# Altium PCB PCB1.PcbDoc (part 1 of 4) (continued)
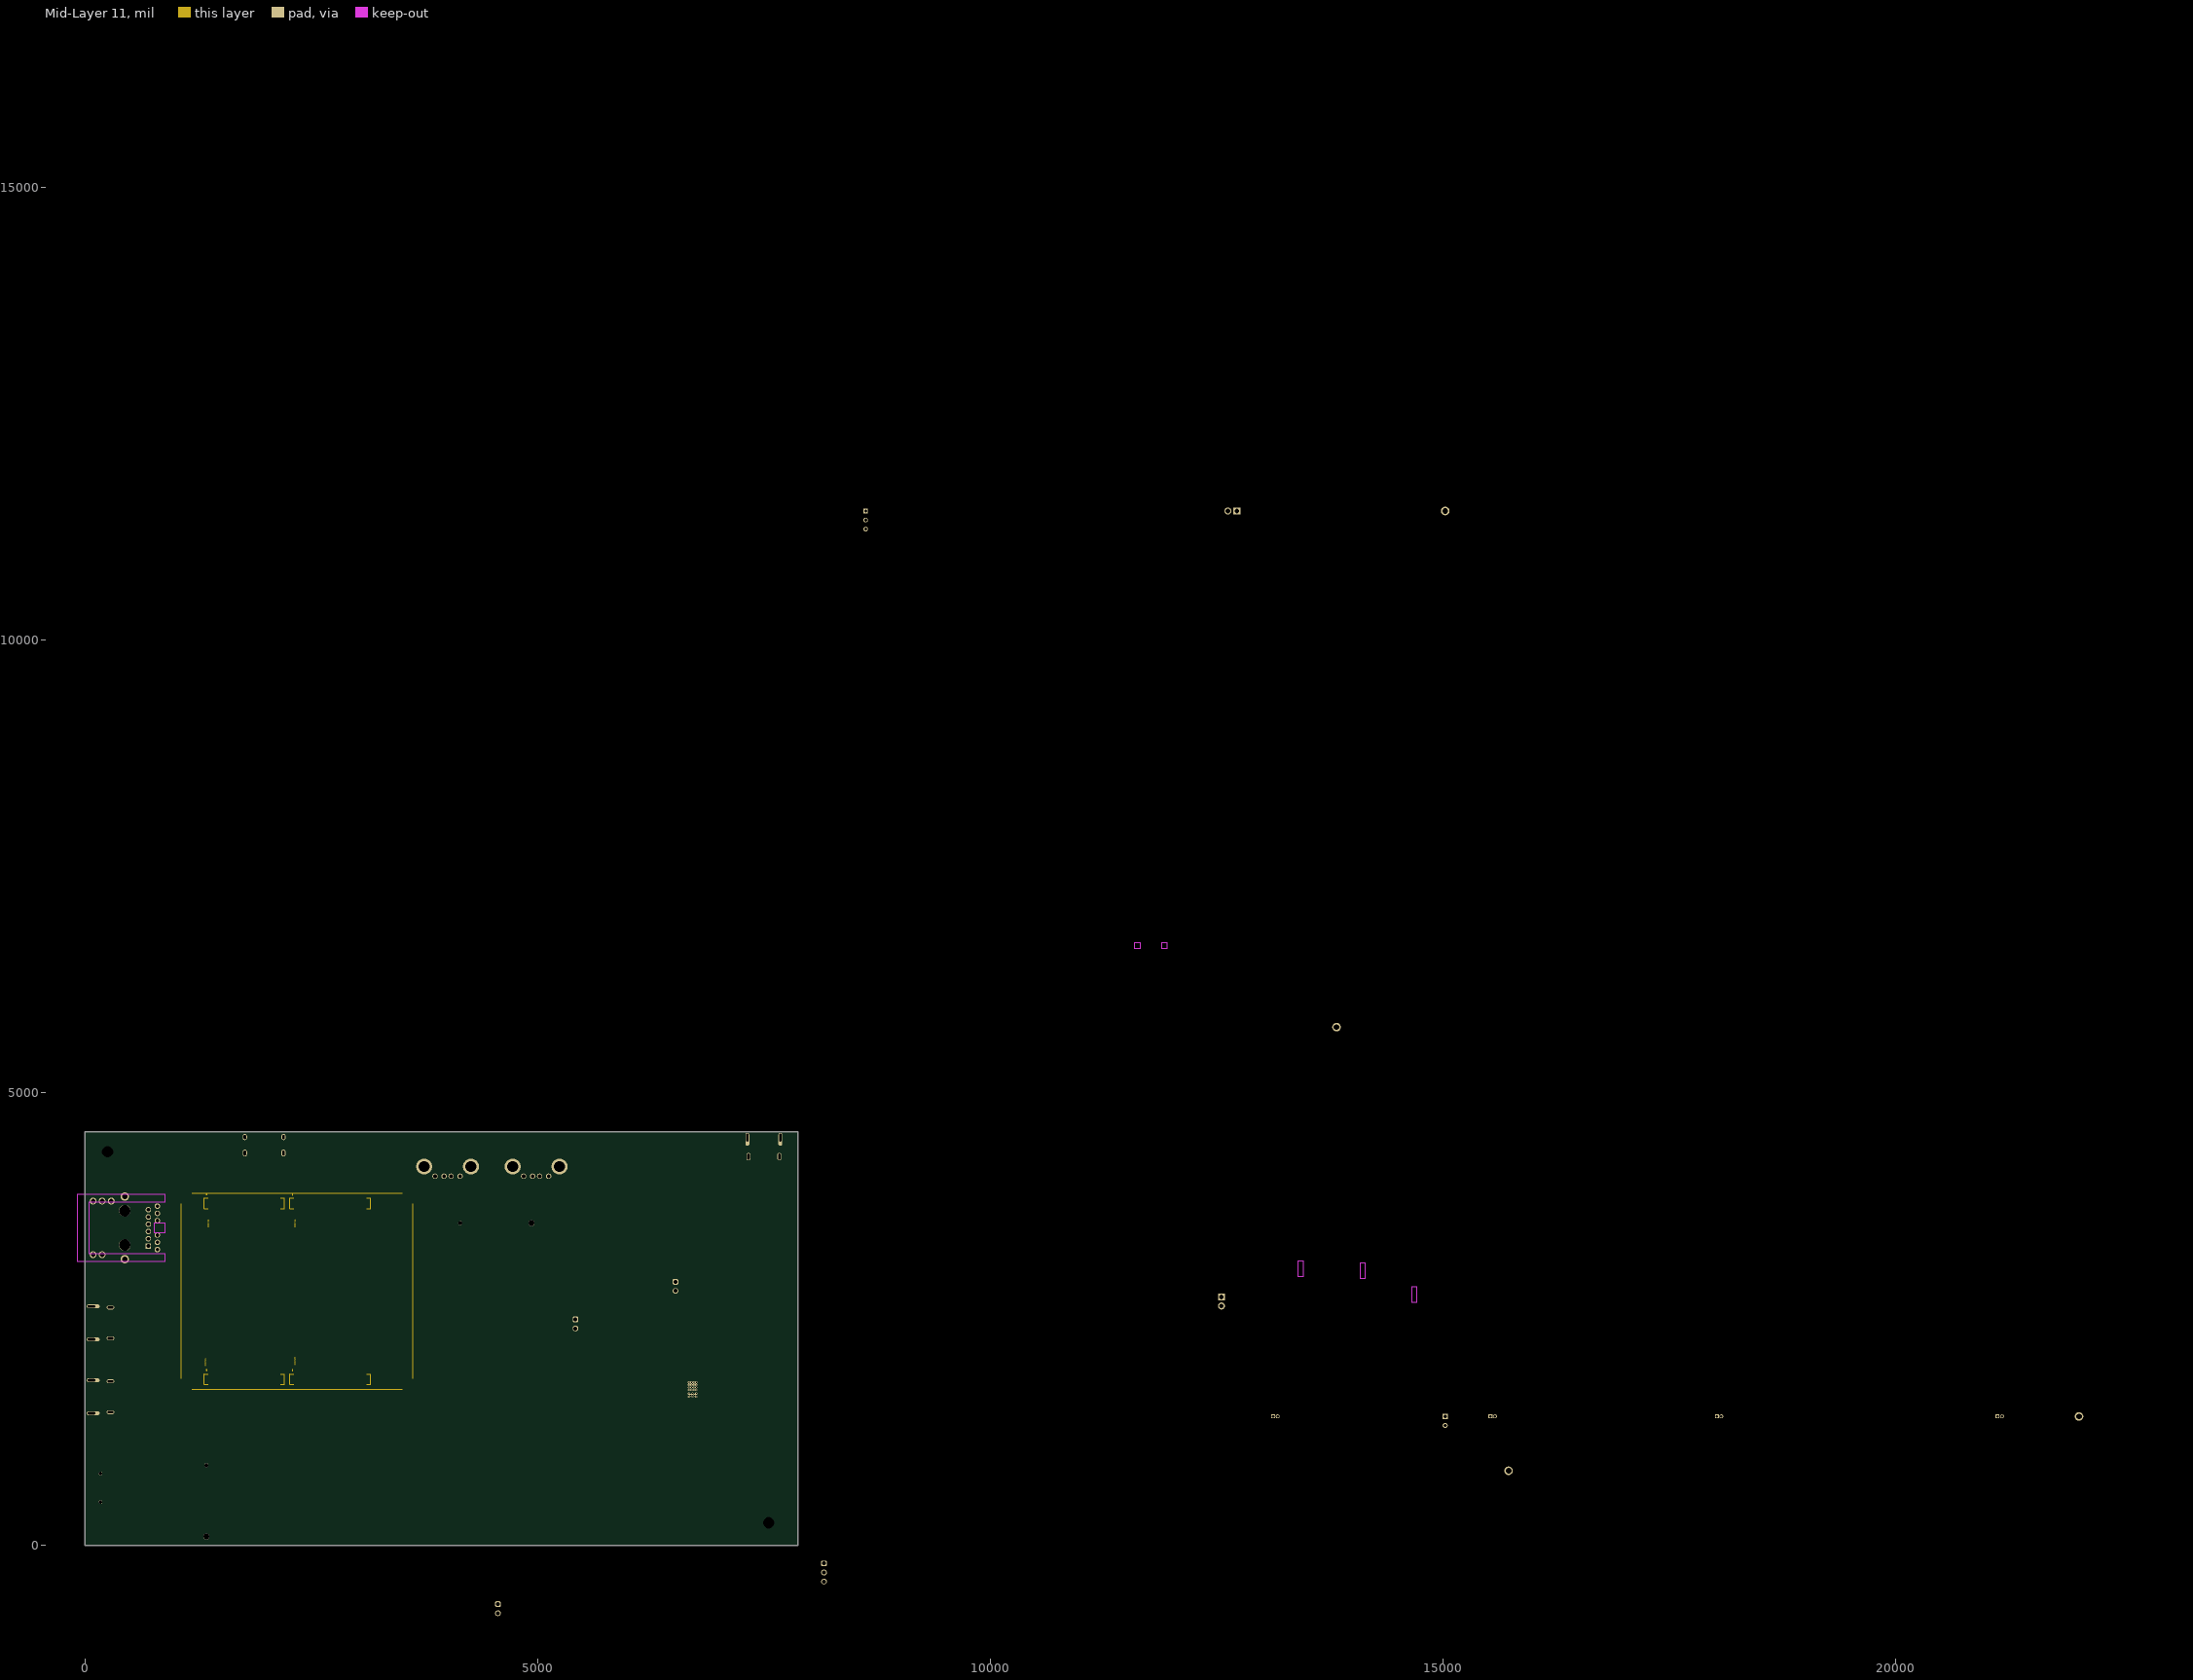
[diagram p7: Mid-Layer 11]
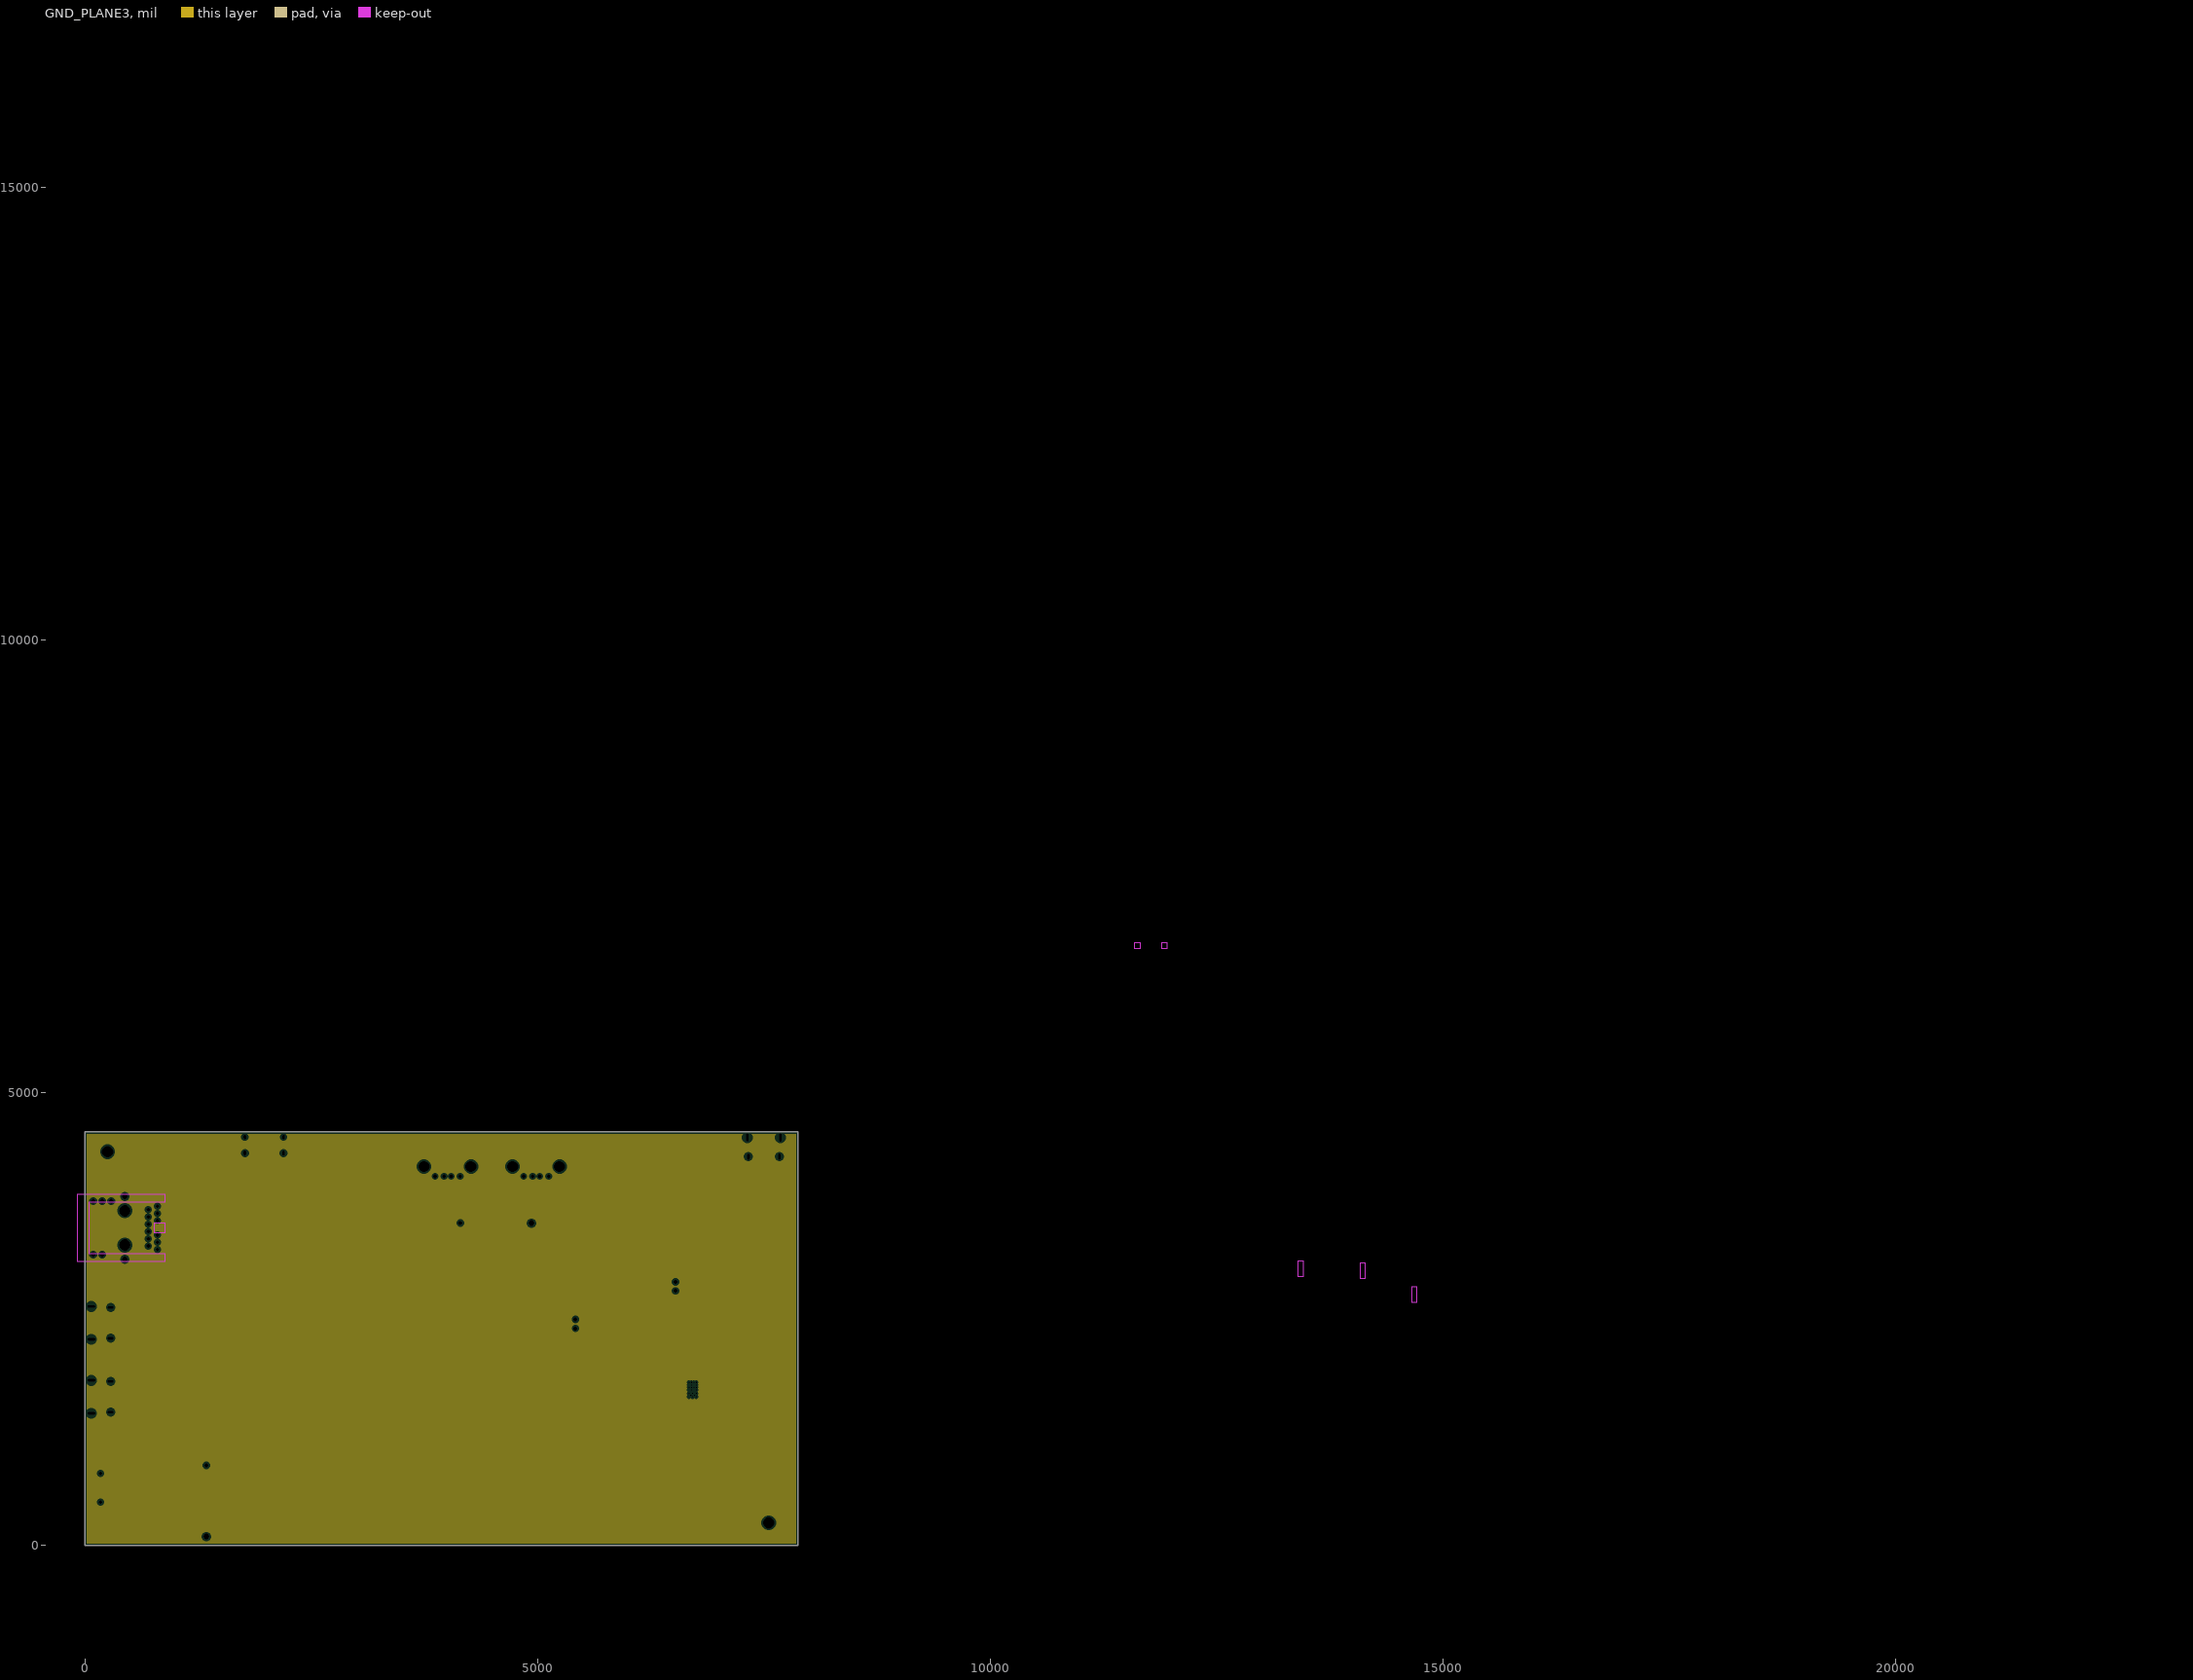
[diagram p8: GND_PLANE3, clearances drawn from the general rule]

## Layer stack, top to bottom
Top Solder: solder mask 1, SM-001, Dk 4
HIGH_SPEED_TOP: signal copper 1.38
Dielectric 2: prepreg 4.58, PP-006, Dk 4.1
GND PLANE1: plane copper 0.6
Dielectric 3: core 11.81, Core-027, Dk 4.5
LOW_SPEED: signal copper 0.6
Dielectric 4: prepreg 3.01, PP-006, Dk 4.1
Dielectric 5: prepreg 3.01, PP-006, Dk 4.1
POWER_PLANE1: plane copper 0.6
Dielectric 6: core 11.81, Core-027, Dk 4.5
POWER_PLANE2: plane copper 0.6
Dielectric 7: prepreg 3.01, PP-006, Dk 4.1
Dielectric 8: prepreg 3.01, PP-006, Dk 4.1
SIGNAL: signal copper 0.6
Dielectric 9: core 11.81, Core-027, Dk 4.5
Mid-Layer 11: signal copper 1.4
Dielectric10: dielectric 12.6, FR-4, Dk 4.8
GND_PLANE3: plane copper 0.6
Dielectric 10: prepreg 4.58, PP-006, Dk 4.1
HIGH_SPEED_BOT: signal copper 1.38
Bottom Solder: solder mask 1, SM-001, Dk 4

## Board outline
0,0 0,738.19 0,4566.93 7874.02,4566.93 7874.02,0

## Design rules (kind name [scope] priority, off if disabled: settings)
BoardOutlineClearance [All] p1: gap=50 ignorepadtopadclearanceinfootprint=FALSE
Clearance [All] p1: gap=7.87 ignorepadtopadclearanceinfootprint=FALSE
ComponentClearance CM3588 [InComponent('J1') vs InComponent('CON1')] p1: gap=0 collisioncheckmode=3 verticalgap=0 showdistances=FALSE
DiffPairsRouting [All] p1: maxlimit=4.92 minlimit=4.92 mostfreqgap=4.92 toplayer_minwidth=4.92 toplayer_maxwidth=4.92 toplayer_prefwidth=4.92 midlayer4_minwidth=4.92 midlayer4_maxwidth=4.92 midlayer4_prefwidth=4.92 midlayer9_minwidth=4.92 midlayer9_maxwidth=4.92 midlayer9_prefwidth=4.92 midlayer11_minwidth=4.92 midlayer11_maxwidth=4.92 midlayer11_prefwidth=4.92 bottomlayer_minwidth=4.92 bottomlayer_maxwidth=4.92 bottomlayer_prefwidth=4.92 maxuncoupledlength=590.55
HoleSize [All] p1: absolutevalues=TRUE maxlimit=196.85 minlimit=7.87 maxpercent=80.000 minpercent=20.000
HoleToHoleClearance [All] p1: gap=7 allowstackedmicrovias=TRUE
MinimumSolderMaskSliver [All] p1: minsoldermaskwidth=2.95
PlaneClearance [All] p1: clearance=19.68
PlaneConnect [All] p1: pad.planeconnectstyle=Relief pad.reliefexpansion=20 pad.reliefentries=4 pad.reliefconductorwidth=10 pad.reliefairgap=10 via.planeconnectstyle=Direct via.reliefexpansion=20 via.reliefentries=4 via.reliefconductorwidth=10 via.reliefairgap=10
PolygonConnect [All] p1: thpad.connectstyle=Relief thpad.reliefconductorwidth=10 thpad.reliefentries=4 thpad.polygonreliefangle="90 Angle" thpad.airgapwidth=10 smdpad.connectstyle=Relief smdpad.reliefconductorwidth=10 smdpad.reliefentries=4 smdpad.polygonreliefangle="90 Angle" smdpad.airgapwidth=10 via.connectstyle=Direct via.reliefconductorwidth=10 via.reliefentries=4 via.polygonreliefangle="90 Angle" via.airgapwidth=10
RoutingVias [All] p1: holewidth=11.81 width=31.5 viastyle="Through Hole" minholewidth=7.87 minwidth=23.62 maxholewidth=27.56 maxwidth=47.24
SilkToSilkClearance [All] p1: silktosilkclearance=4
SilkToSolderMaskClearance [IsPad] p1: minsilkscreentomaskgap=1 clearancetoexposedcopper=TRUE
SolderMaskExpansion [All] p1: expansion=0 istentingtop=FALSE
SupplyNets "Schematic Supply Nets_21" [InNet('+3V3')] p1: voltage=0.000
SupplyNets "Schematic Supply Nets_20" [InNet('+12')] p2: voltage=0.000
SupplyNets "Schematic Supply Nets_19" [InNet('NetR6_2')] p3: voltage=0.000
SupplyNets "Schematic Supply Nets_1" [InNet('PACK+')] p4: voltage=0.000
SupplyNets "Schematic Supply Nets_18" [InNet('PWR4')] p5: voltage=0.000
SupplyNets "Schematic Supply Nets_17" [InNet('+3V3_NVME')] p6: voltage=0.000
SupplyNets "Schematic Supply Nets_16" [InNet('P3V3')] p7: voltage=0.000
SupplyNets "Schematic Supply Nets_15" [InNet('AGND')] p8: voltage=0.000
SupplyNets "Schematic Supply Nets_14" [InNet('PP5V')] p9: voltage=0.000
SupplyNets "Schematic Supply Nets_13" [InNet('VCC_SYS')] p10: voltage=0.000
SupplyNets "Schematic Supply Nets_12" [InNet('PWR2')] p11: voltage=0.000
SupplyNets "Schematic Supply Nets_10" [InNet('+3V3_PI6C')] p12: voltage=0.000
SupplyNets "Schematic Supply Nets_8" [InNet('PWR1')] p13: voltage=0.000
SupplyNets "Schematic Supply Nets_7" [InNet('+1V8')] p14: voltage=0.000
SupplyNets "Schematic Supply Nets_6" [InNet('PWR3')] p15: voltage=0.000
SupplyNets "Schematic Supply Nets_5" [InNet('+3V3_SD_SO')] p16: voltage=0.000
SupplyNets "Schematic Supply Nets_4" [InNet('+5V')] p17: voltage=0.000
SupplyNets "Schematic Supply Nets_2" [InNet('+3V3_WIFI')] p18: voltage=0.000
Width [All] p1: maxlimit=196.85 minlimit=5.91 preferedwidth=7.87
21 further rules are at their usual default settings.

## Classes and differential pairs
component class WIFI: MTHNP11 R41 R42 R43 WIFI
component class USBC_B: C12 C13 C14 C15 C16 C17 C18 C19 C20 C185 C186 FB10 J3 L2 R8 R9 R10 R11 R12 R13 U7 U8 U9 U10 U11 U12
component class USBC_A: C1 C2 C3 C4 C5 C6 C7 C8 C9 C10 C11 FB9 J2 L1 R1 R2 R3 R4 R5 U1 U2 U3 U4 U5 U6
component class USB2_0: BR1 BR2 BR3 BR4 BR5 C154 C155 C156 C157 C158 C159 C160 C161 C162 C163 C164 C165 C166 C167 IC17 IC18 IC19 IC20 L19 L20 L21 L22 L23 LED8 R160 R161 R162 R163 R164 R165 R166 R167 R168 R169 R170 R171 R172 Y2
component class USB2_0_Connector: C168 C169 C170 C171 C172 C173 C174 C175 C176 C177 C178 C179 C180 C181 C182 C183 FB1 FB2 FB3 FB4 FB5 FB6 FB7 FB8 J13 J14 J15 J16
component class SystemCTL: C41 C42 C43 C44 C45 C46 D3 IC4 J9 J17 Mask MTHNP1 MTHNP2 MTHNP3 MTHNP4 MTHNP5 MTHNP6 Power R70 R71 R72 R73 R74 R75 R76 R77 R78 Recovery Reset RTC_BAT TP2
component class SDCARD: C35 C36 J7 R44 R45 R46 R47 R48 R49 R50 U18 U19
component class Power: 66 C47 C48 C49 C50 C51 C52 C53 C54 C55 C56 C57 C58 C59 C60 C61 C62 C63 C64 C65 C67 IC5 IC6 IC7 L11 L12 LED2 R79 R80 R81 R82 R83 R84 R85 R86 R87 R88 R89 R90 R91 R92
component class POWERSYSTEM: C66 C86 C87 C88 C89 C90 C91 C92 C93 C94 C95 C96 C97 C98 C99 C100 C101 C102 C103 C104 C105 C106 C107 C108 C109 C110 C111 C112 C113 C114 C115 J8 J12 JP1 JP2 JP3 L15 L16 L24 LED3 R104 R105 R106 R108 R109 R110 R111 R112 R113 R114 R115 R116 R117 U24 U25 U26 U27
component class POWER_PCie: C68 C69 C70 C71 C72 C73 C74 C75 C76 C77 C78 C79 C80 C81 C82 C83 C84 C85 IC8 IC9 L13 L14 R93 R94 R95 R96 R97 R98 R99 R100 R101 R102
component class P3V3_PP5V_GESTION: C142 C143 C144 C145 C146 C147 C148 C149 C150 C151 C152 C153 D7 IC15 IC16 L18 R153 R154 R155 R156 R157 R158
component class NVME: C26 C27 C28 C29 C30 C31 C32 C33 C34 LED1 MTHNP7 MTHNP8 MTHNP9 MTHNP10 NVME R18 R19 R20 R21 R22 R23 R24 R25 R26 R27 R28 R29 R30 R31 R32 R33 R34 R35 R36 R37 R38 R39 R40 TP1 U16 U17 Y1
component class HDMI: C37 C38 C39 C40 D1 D2 IC1 IC2 IC3 J6 L7 L8 L9 L10 Q1 Q2 Q3 Q4 Q5 R51 R52 R53 R54 R55 R56 R57 R58 R59 R60 R61 R62 R63 R64 R65 R66 R67 R68 R69 U20 U21 U22 U23
component class ETHERNET: C23 C24 ETH1 L3 L4 L5 L6 R14 R15 R16 R17 U14 U15
component class eDP: C21 C22 eDP1 U13
component class CONNECTEUR_4: CON4 R103 R107
component class CONNECTEUR_3: CON3
component class CONNECTEUR_2: CON2
component class CONNECTEUR_1: CON1 R6 R7
component class CM3588: J1
component class BATTERY_GESTION: BT1 BT2 BT3 BT4 C116 C117 C120 C121 C122 C123 C124 C125 C126 C127 C128 C129 C130 D4 D5 D6 IC12 L25 LED4 LED5 LED6 LED7 Q6 Q7 R120 R122 R123 R124 R125 R126 R127 R128 R129 R130 R131 R132 R133 R134 R135 R136 R137 R138 R139 R140 R141 R142 R143 RT1 TP3
component class 12V_FROM_BATTERY: C131 C132 C133 C134 C135 C136 C137 C138 C139 C140 C141 IC14 L17 Q8 Q9 R144 R145 R146 R147 R148 R149 R150 R151 R152 TP4
differential pair USB20_HOST0_D: +USB20_HOST0_D_P -USB20_HOST0_D_N
differential pair TYPEC1_SSTX2: +TYPEC1_SSTX2_P -TYPEC1_SSTX2_N
differential pair TYPEC1_SSTX1: +TYPEC1_SSTX1_P -TYPEC1_SSTX1_N
differential pair TYPEC1_SSRX2: +TYPEC1_SSRX2_P -TYPEC1_SSRX2_N
differential pair TYPEC1_SSRX1: +TYPEC1_SSRX1_P -TYPEC1_SSRX1_N
differential pair TYPEC0_SSTX2: +TYPEC0_SSTX2_P -TYPEC0_SSTX2_N
differential pair TYPEC0_SSTX1: +TYPEC0_SSTX1_P -TYPEC0_SSTX1_N
differential pair TYPEC0_SSRX2: +TYPEC0_SSRX2_P -TYPEC0_SSRX2_N
differential pair TYPEC0_SSRX1: +TYPEC0_SSRX1_P -TYPEC0_SSRX1_N
differential pair SR: +SR_P -SR_N
differential pair P25G_MDI3: +P25G_MDI3_P -P25G_MDI3_N
differential pair P25G_MDI2: +P25G_MDI2_P -P25G_MDI2_N
differential pair P25G_MDI1: +P25G_MDI1_P -P25G_MDI1_N
differential pair P25G_MDI0: +P25G_MDI0_P -P25G_MDI0_N
differential pair USB20_HOST1_D: +USB20_HOST1_D_P -USB20_HOST1_D_N
differential pair UP: +UP_P -UP_N
differential pair TYPEC1_OTG_D: +TYPEC1_OTG_D_P -TYPEC1_OTG_D_N
differential pair TYPEC1_D: +TYPEC1_D_P -TYPEC1_D_N
differential pair TYPEC0_OTG: +TYPEC0_OTG_P -TYPEC0_OTG_N
differential pair TYPEC0_D: +TYPEC0_D_P -TYPEC0_D_N
differential pair TX3P: +TX3P_P -TX3P_N
differential pair TX3P_OUT: +TX3P_OUT_P -TX3P_OUT_N
differential pair TX2P: +TX2P_P -TX2P_N
differential pair TX2P_OUT: +TX2P_OUT_P -TX2P_OUT_N
differential pair TX1P: +TX1P_P -TX1P_N
differential pair TX1P_OUT: +TX1P_OUT_P -TX1P_OUT_N
differential pair TX0P: +TX0P_P -TX0P_N
differential pair TX0P_OUT: +TX0P_OUT_P -TX0P_OUT_N
differential pair PCIE30_REFCLK_A: +PCIE30_REFCLK_A_P -PCIE30_REFCLK_A_N
differential pair PCIE30_PORT1_TX3: +PCIE30_PORT1_TX3_P -PCIE30_PORT1_TX3_N
differential pair PCIE30_PORT1_TX2: +PCIE30_PORT1_TX2_P -PCIE30_PORT1_TX2_N
differential pair PCIE30_PORT1_RX3: +PCIE30_PORT1_RX3_P -PCIE30_PORT1_RX3_N
differential pair PCIE30_PORT1_RX2: +PCIE30_PORT1_RX2_P -PCIE30_PORT1_RX2_N
differential pair PCIE30_PORT1_IN_REFCLK: +PCIE30_PORT1_IN_REFCLK_P -PCIE30_PORT1_IN_REFCLK_N
differential pair PCIE30_PORT0_TX1: +PCIE30_PORT0_TX1_P -PCIE30_PORT0_TX1_N
differential pair PCIE30_PORT0_TX0: +PCIE30_PORT0_TX0_P -PCIE30_PORT0_TX0_N
differential pair PCIE30_PORT0_RX1: +PCIE30_PORT0_RX1_P -PCIE30_PORT0_RX1_N
differential pair PCIE30_PORT0_RX0: +PCIE30_PORT0_RX0_P -PCIE30_PORT0_RX0_N
differential pair PCIE30_PORT0_IN_REFCLK: +PCIE30_PORT0_IN_REFCLK_P -PCIE30_PORT0_IN_REFCLK_N
differential pair PCIE20_1_TX: +PCIE20_1_TX_P -PCIE20_1_TX_N
differential pair PCIE20_1_RX: +PCIE20_1_RX_P -PCIE20_1_RX_N
differential pair PCIE20_1_REFCLK: +PCIE20_1_REFCLK_P -PCIE20_1_REFCLK_N
differential pair P25G_MDI3_O: +P25G_MDI3_O_P -P25G_MDI3_O_N
differential pair P25G_MDI2_O: +P25G_MDI2_O_P -P25G_MDI2_O_N
differential pair P25G_MDI1_O: +P25G_MDI1_O_P -P25G_MDI1_O_N
differential pair P25G_MDI0_O: +P25G_MDI0_O_P -P25G_MDI0_O_N
differential pair HDMI1_TX_SBD: +HDMI1_TX_SBD_P -HDMI1_TX_SBD_N
differential pair HDMI1_TX3: +HDMI1_TX3_P -HDMI1_TX3_N
differential pair HDMI1_TX2: +HDMI1_TX2_P -HDMI1_TX2_N
differential pair HDMI1_TX1: +HDMI1_TX1_P -HDMI1_TX1_N
differential pair HDMI1_TX0: +HDMI1_TX0_P -HDMI1_TX0_N
differential pair HDMI0_TX_SBD: +HDMI0_TX_SBD_P -HDMI0_TX_SBD_N
differential pair HDMI0_TX3: +HDMI0_TX3_P -HDMI0_TX3_N
differential pair HDMI0_TX2: +HDMI0_TX2_P -HDMI0_TX2_N
differential pair HDMI0_TX1: +HDMI0_TX1_P -HDMI0_TX1_N
differential pair HDMI0_TX0: +HDMI0_TX0_P -HDMI0_TX0_N
differential pair DN4: +DN4_P -DN4_N
differential pair DN4_OUT: +DN4_OUT_P -DN4_OUT_N
differential pair DN3: +DN3_P -DN3_N
differential pair DN3_OUT: +DN3_OUT_P -DN3_OUT_N
differential pair DN2: +DN2_P -DN2_N
differential pair DN2_OUT: +DN2_OUT_P -DN2_OUT_N
differential pair DN1: +DN1_P -DN1_N
differential pair DN1_OUT: +DN1_OUT_P -DN1_OUT_N
differential pair CLK: +CLK_P -CLK_N
differential pair CLK3: +CLK3_P -CLK3_N
differential pair CLK2: +CLK2_P -CLK2_N
differential pair C_USB: +C_USB_P -C_USB_N

## Components (designator, comment, footprint, x,y, rotation, side; value= is the part's Value field where it differs from the comment)
66 "22nf/25V" C0805 8522.05,7225.2 r180 top value=22nF
BR1 "BGX50AE6327HTSA1" BF998215 9722.05,12325.2 r180 top value=1.5pF
BR2 "BGX50AE6327HTSA1" BF998215 9922.05,12325.2 r180 top value=1.5pF
BR3 "BGX50AE6327HTSA1" BF998215 10222.05,12325.2 r180 top value=1.5pF
BR4 "BGX50AE6327HTSA1" BF998215 8822.05,12325.2 r180 top value=1.5pF
BR5 "BGX50AE6327HTSA1" BF998215 8522.05,12325.2 r180 top value=1.5pF
BT1 "0530480210" SHDRRA2W35P0X125_1X2_425X550X350P 21122.05,1425.2 r180 top
BT2 "0530480210" SHDRRA2W35P0X125_1X2_425X550X350P 18022.05,1425.2 r180 top
BT3 "0530480210" SHDRRA2W35P0X125_1X2_425X550X350P 15522.05,1425.2 r180 top
BT4 "0530480210" SHDRRA2W35P0X125_1X2_425X550X350P 13122.05,1425.2 r180 top
C1 "0.1uF/6.3V" C0805 12422.05,14225.2 r180 top value=100nF
C2 "10uF/6.3V" C0805 12622.05,14225.2 r180 top value=10uF
C3 "10uF/6.3V" C0805 12922.05,14225.2 r180 top value=10uF
C4 "220pF/50V" C0805 8022.05,14225.2 r180 top value=220pF
C5 "220pF/50V" C0805 8222.05,14225.2 r180 top value=220pF
C6 "10uF/6.3V" C0805 8422.05,14225.2 r180 top value=10uF
C7 "10uF/6.3V" C0805 8722.05,14225.2 r180 top value=10uF
C8 "1uF/6.3V" C0805 8922.05,14225.2 r180 top value=1uF
C9 "1uF/6.3V" C0805 9122.05,14225.2 r180 top value=1uF
C10 "1uF/6.3V" C0805 9322.05,14225.2 r180 top value=1uF
C11 "100uF / 6.3V" EEE0GA101SR 12122.05,14125.2 r180 top value=100uF
C12 "10uF/6.3V" C0805 13022.05,15325.2 r180 top value=10uF
C13 "10uF/6.3V" C0805 13222.05,15325.2 r180 top value=10uF
C14 "10uF/6.3V" C0805 8022.05,15325.2 r180 top value=10uF
C15 "10uF/6.3V" C0805 8322.05,15325.2 r180 top value=10uF
C16 "1uF/6.3V" C0805 8522.05,15325.2 r180 top value=1uF
C17 "1uF/6.3V" C0805 8722.05,15325.2 r180 top value=1uF
C18 "1uF/6.3V" C0805 9022.05,15325.2 r180 top value=1uF
C19 "220pF/50V" C0805 9222.05,15325.2 r180 top value=220pF
C20 "220pF/50V" C0805 9422.05,15325.2 r180 top value=220pF
C21 "1uF/6.3V" C0805 8022.05,2425.2 r180 top value=1uF
C22 "1uF/6.3V" C0805 8322.05,2425.2 r180 top value=1uF
C23 "0.1uF/16V" C0805 9422.05,3725.2 r180 top value=100nF
C24 "0.1uF/16V" C0805 9622.05,3725.2 r180 top value=100nF
C26 "1uF/10V" C0805 15222.05,5725.2 r180 top value=1uF
C27 "22pF/50V" C0805 15722.05,5725.2 r180 top value=22pF
C28 "1uF/10V" C0805 14722.05,5725.2 r180 top value=1uF
C29 "0.1uF/16V" C0805 11922.05,5725.2 r180 top value=100nF
C30 "1uF/10V" C0805 11622.05,5725.2 r180 top value=1uF
C31 "0.1uF/16V" C0805 12522.05,5725.2 r180 top value=100nF
C32 "1uF/10V" C0805 12722.05,5725.2 r180 top value=1uF
C33 "15pF/50V" C0805 9222.05,5725.2 r180 top
C34 "15pF/50V" C0805 8922.05,5725.2 r180 top
C35 "10uF/6.3V" C0805 11122.05,9825.2 r180 top value=10uF
C36 "0.1uF/16V" C0805 10822.05,9825.2 r180 top value=100nF
C37 "1uF/10V" C0805 13622.05,4525.2 r180 top value=1uF
C38 "0.1uF/10V" c0805 8022.05,4525.2 r180 top value=100nF
C39 "0.1uF/10V" c0805 8322.05,4525.2 r180 top value=100nF
C40 "0.1uF/10V" c0805 8522.05,4525.2 r180 top value=100nF
C41 "1nF/50V" C0805 13422.05,11425.2 r180 top value=1nF
C42 "1nF/50V" C0805 11722.05,11425.2 r270 top value=1nF
C43 "1nF/50V" C0805 10222.05,11425.2 r270 top value=1nF
C44 "1nF/50V" C0805 9022.05,11425.2 r270 top value=1nF
C45 "0.1uF/16V" C0805 13222.05,11425.2 r180 top value=100nF
C46 "1uF/16V" C0805 13022.05,11425.2 r180 top value=1uF
C47 "10uF/25V" C0805 16122.05,7225.2 r180 top value=10uF
C48 "10uF/25V" C0805 15922.05,7225.2 r180 top value=10uF
C49 "1uF/10V" C0805 13922.05,7225.2 r180 top value=1uF
C50 "0.1uF/25V" c0805 17422.05,7225.2 r180 top value=100nF
C51 "22pF/50V" C0805 14522.05,7225.2 r180 top value=22pF
C52 "10uF/25V" C0805 15022.05,7225.2 r180 top value=10uF
C53 "10uF/25V" C0805 15222.05,7225.2 r180 top value=10uF
C54 "10uF/25V" C0805 15422.05,7225.2 r180 top value=10uF
C55 "10uF/25V" C0805 15722.05,7225.2 r180 top value=10uF
C56 "10uF/25V" C0805 12422.05,7225.2 r180 top value=10uF
C57 "10uF/25V" C0805 12222.05,7225.2 r180 top value=10uF
C58 "1uF/10V" C0805 10222.05,7225.2 r180 top value=1uF
C59 "0.1uF/25V" c0805 13622.05,7225.2 r180 top value=100nF
C60 "22pF/50V" C0805 10822.05,7225.2 r180 top value=22pF
C61 "10uF/25V" C0805 11322.05,7225.2 r180 top value=10uF
C62 "10uF/25V" C0805 11522.05,7225.2 r180 top value=10uF
C63 "10uF/25V" C0805 11722.05,7225.2 r180 top value=10uF
C64 "10uF/25V" C0805 12022.05,7225.2 r180 top value=10uF
C65 "10uF/25V" C0805 9022.05,7225.2 r180 top value=10uF
C66 "C0805C473K3GACTU" C0805 10150,650 r180 top
C67 "1uF/25V" C0805 8822.05,7225.2 r180 top value=1uF
C68 "10uF/25V" C0805 14122.05,7625.2 r180 top value=10uF
C69 "10uF/25V" C0805 13922.05,7625.2 r180 top value=10uF